# KiCad board TKEEB.kicad_pcb (continued)
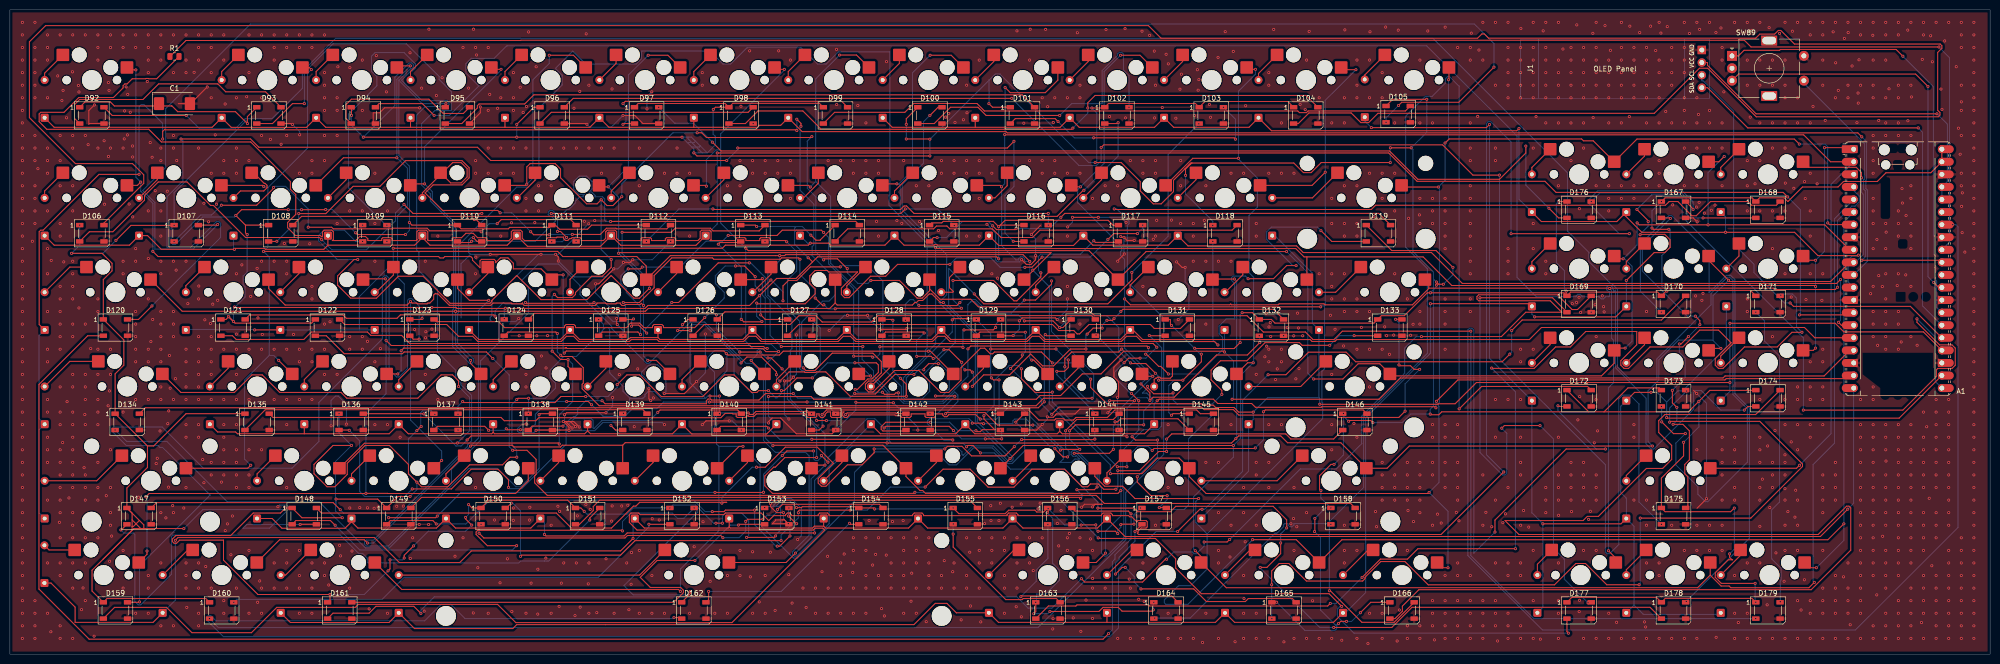
[diagram p0: board, top side]
## Nets
+3V3: A1.36 A1.37 J1.2
+5V: A1.39 A1.40 C1.1 D92.1 D93.1 D94.1 D95.1 D96.1 D97.1 D98.1 D99.1 D100.1 D101.1 D102.1 D103.1 D104.1 D105.1 D106.1 D107.1 D108.1 D109.1 D110.1 D111.1 D112.1 D113.1 D114.1 D115.1 D116.1 D117.1 D118.1 D119.1 D120.1 D121.1 D122.1 D123.1 D124.1 D125.1 D126.1 D127.1 D128.1 D129.1 D130.1 D131.1 D132.1 D133.1 D134.1 D135.1 D136.1 D137.1 D138.1 D139.1 D140.1 D141.1 D142.1 D143.1 D144.1 D145.1 D146.1 D147.1 D148.1 D149.1 D150.1 D151.1 D152.1 D153.1 D154.1 D155.1 D156.1 D157.1 D158.1 D159.1 D160.1 D161.1 D162.1 D163.1 D164.1 D165.1 D166.1 D167.1 D168.1 D169.1 D170.1 D171.1 D172.1 D173.1 D174.1 D175.1 D176.1 D177.1 D178.1 D179.1
GND: A1.3 A1.8 A1.13 A1.18 A1.23 A1.28 A1.33 A1.38 C1.2 D92.3 D93.3 D94.3 D95.3 D96.3 D97.3 D98.3 D99.3 D100.3 D101.3 D102.3 D103.3 D104.3 D105.3 D106.3 D107.3 D108.3 D109.3 D110.3 D111.3 D112.3 D113.3 D114.3 D115.3 D116.3 D117.3 D118.3 D119.3 D120.3 D121.3 D122.3 D123.3 D124.3 D125.3 D126.3 D127.3 D128.3 D129.3 D130.3 D131.3 D132.3 D133.3 D134.3 D135.3 D136.3 D137.3 D138.3 D139.3 D140.3 D141.3 D142.3 D143.3 D144.3 D145.3 D146.3 D147.3 D148.3 D149.3 D150.3 D151.3 D152.3 D153.3 D154.3 D155.3 D156.3 D157.3 D158.3 D159.3 D160.3 D161.3 D162.3 D163.3 D164.3 D165.3 D166.3 D167.3 D168.3 D169.3 D170.3 D171.3 D172.3 D173.3 D174.3 D175.3 D176.3 D177.3 D178.3 D179.3 J1.1 SW89.C SW89.S2
A: A1.27 SW89.A
B: A1.29 SW89.B
col 1: A1.11 D1.1 D2.1 D3.1 D4.1 D5.1 D6.1 D7.1 D8.1
col 2: A1.12 D9.1 D10.1 D11.1 D12.1 D13.1 D14.1 D15.1 D16.1
col 3: A1.14 D17.1 D18.1 D19.1 D20.1 D21.1 D22.1 D23.1 D24.1
col 4: A1.15 D25.1 D26.1 D27.1 D28.1 D29.1 D30.1 D31.1 D32.1
col 5: A1.16 D33.1 D34.1 D35.1 D36.1 D37.1 D38.1 D39.1 D40.1
col 6: A1.17 D41.1 D42.1 D43.1 D44.1 D45.1 D46.1 D47.1 D48.1
col 9: A1.21 D65.1 D66.1 D67.1 D68.1 D69.1 D70.1 D71.1 D72.1
col 10: A1.22 D73.1 D74.1 D75.1 D76.1 D77.1 D78.1 D79.1 D80.1
col 11: A1.24 D81.1 D82.1 D83.1 D84.1 D85.1 D86.1 D87.1 D88.1
colu 7: A1.19 D49.1 D50.1 D51.1 D52.1 D53.1 D54.1 D55.1 D56.1
colu 8: A1.20 D57.1 D58.1 D59.1 D60.1 D61.1 D62.1 D63.1 D64.1
dscl: A1.25 J1.3
dsda: A1.26 J1.4
rgbi: A1.32 R1.1
rgbo: A1.34 D172.2
row 1: A1.1 SW1.1 SW9.1 SW17.1 SW25.1 SW33.1 SW41.1 SW49.1 SW57.1 SW65.1 SW73.1 SW81.1
row 2: A1.2 SW2.1 SW10.1 SW18.1 SW26.1 SW34.1 SW42.1 SW50.1 SW58.1 SW66.1 SW74.1 SW82.1
row 3: A1.4 SW3.1 SW11.1 SW19.1 SW27.1 SW35.1 SW43.1 SW51.1 SW59.1 SW67.1 SW75.1 SW83.1
row 4: A1.5 SW4.1 SW12.1 SW20.1 SW28.1 SW36.1 SW44.1 SW52.1 SW60.1 SW68.1 SW76.1 SW84.1
row 5: A1.6 SW5.1 SW13.1 SW21.1 SW29.1 SW37.1 SW45.1 SW53.1 SW61.1 SW69.1 SW77.1 SW85.1
row 6: A1.7 SW6.1 SW14.1 SW22.1 SW30.1 SW38.1 SW46.1 SW54.1 SW62.1 SW70.1 SW78.1 SW86.1
row 7: A1.9 SW7.1 SW15.1 SW23.1 SW31.1 SW39.1 SW47.1 SW55.1 SW63.1 SW71.1 SW79.1 SW87.1
row 8: A1.10 SW8.1 SW16.1 SW24.1 SW32.1 SW40.1 SW48.1 SW56.1 SW64.1 SW72.1 SW80.1 SW88.1
SW: A1.31 SW89.S1
Net-(D1-A): D1.2 SW1.2
Net-(D2-A): D2.2 SW2.2
Net-(D3-A): D3.2 SW3.2
Net-(D4-A): D4.2 SW4.2
Net-(D5-A): D5.2 SW5.2
Net-(D6-A): D6.2 SW6.2
Net-(D7-A): D7.2 SW7.2
Net-(D8-A): D8.2 SW8.2
Net-(D9-A): D9.2 SW9.2
Net-(D10-A): D10.2 SW10.2
Net-(D11-A): D11.2 SW11.2
Net-(D12-A): D12.2 SW12.2
Net-(D13-A): D13.2 SW13.2
Net-(D14-A): D14.2 SW14.2
Net-(D15-A): D15.2 SW15.2
Net-(D16-A): D16.2 SW16.2
Net-(D17-A): D17.2 SW17.2
Net-(D18-A): D18.2 SW18.2
Net-(D19-A): D19.2 SW19.2
Net-(D20-A): D20.2 SW20.2
Net-(D21-A): D21.2 SW21.2
Net-(D22-A): D22.2 SW22.2
Net-(D23-A): D23.2 SW23.2
Net-(D24-A): D24.2 SW24.2
Net-(D25-A): D25.2 SW25.2
Net-(D26-A): D26.2 SW26.2
Net-(D27-A): D27.2 SW27.2
Net-(D28-A): D28.2 SW28.2
Net-(D29-A): D29.2 SW29.2
Net-(D30-A): D30.2 SW30.2
Net-(D31-A): D31.2 SW31.2
Net-(D32-A): D32.2 SW32.2
Net-(D33-A): D33.2 SW33.2
Net-(D34-A): D34.2 SW34.2
Net-(D35-A): D35.2 SW35.2
Net-(D36-A): D36.2 SW36.2
Net-(D37-A): D37.2 SW37.2
Net-(D38-A): D38.2 SW38.2
Net-(D39-A): D39.2 SW39.2
Net-(D40-A): D40.2 SW40.2
Net-(D41-A): D41.2 SW41.2
Net-(D42-A): D42.2 SW42.2
Net-(D43-A): D43.2 SW43.2
Net-(D44-A): D44.2 SW44.2
Net-(D45-A): D45.2 SW45.2
Net-(D46-A): D46.2 SW46.2
Net-(D47-A): D47.2 SW47.2
Net-(D48-A): D48.2 SW48.2
Net-(D49-A): D49.2 SW49.2
Net-(D50-A): D50.2 SW50.2
Net-(D51-A): D51.2 SW51.2
Net-(D52-A): D52.2 SW52.2
Net-(D53-A): D53.2 SW53.2
Net-(D54-A): D54.2 SW54.2
Net-(D55-A): D55.2 SW55.2
Net-(D56-A): D56.2 SW56.2
Net-(D57-A): D57.2 SW57.2
Net-(D58-A): D58.2 SW58.2
Net-(D59-A): D59.2 SW59.2
Net-(D60-A): D60.2 SW60.2
Net-(D61-A): D61.2 SW61.2
Net-(D62-A): D62.2 SW62.2
Net-(D63-A): D63.2 SW63.2
Net-(D64-A): D64.2 SW64.2
Net-(D65-A): D65.2 SW65.2
Net-(D66-A): D66.2 SW66.2
Net-(D67-A): D67.2 SW67.2
Net-(D68-A): D68.2 SW68.2
Net-(D69-A): D69.2 SW69.2
Net-(D70-A): D70.2 SW70.2
Net-(D71-A): D71.2 SW71.2
Net-(D72-A): D72.2 SW72.2
Net-(D73-A): D73.2 SW73.2
Net-(D74-A): D74.2 SW74.2
Net-(D75-A): D75.2 SW75.2
Net-(D76-A): D76.2 SW76.2
Net-(D77-A): D77.2 SW77.2
Net-(D78-A): D78.2 SW78.2
Net-(D79-A): D79.2 SW79.2
Net-(D80-A): D80.2 SW80.2
Net-(D81-A): D81.2 SW81.2
Net-(D82-A): D82.2 SW82.2
Net-(D83-A): D83.2 SW83.2
Net-(D84-A): D84.2 SW84.2
Net-(D85-A): D85.2 SW85.2
Net-(D86-A): D86.2 SW86.2
Net-(D87-A): D87.2 SW87.2
Net-(D88-A): D88.2 SW88.2
Net-(D92-DOUT): D92.2 D93.4
Net-(D94-DOUT): D94.2 D95.4
Net-(D96-DOUT): D96.2 D98.4
Net-(D97-DOUT): D97.2 D99.4
Net-(D100-DIN): D93.2 D100.4
Net-(D100-DOUT): D100.2 D102.4
Net-(D101-DIN): D95.2 D101.4
Net-(D101-DOUT): D101.2 D103.4
Net-(D102-DOUT): D102.2 D108.4
Net-(D103-DOUT): D103.2 D109.4
Net-(D104-DIN): D98.2 D104.4
Net-(D104-DOUT): D104.2 D106.4
Net-(D105-DIN): D99.2 D105.4
Net-(D105-DOUT): D105.2 D107.4
Net-(D106-DOUT): D106.2 D110.4
Net-(D107-DOUT): D107.2 D111.4
Net-(D108-DOUT): D108.2 D112.4
Net-(D109-DOUT): D109.2 D113.4
Net-(D110-DOUT): D110.2 D114.4
Net-(D111-DOUT): D111.2 D115.4
Net-(D112-DOUT): D112.2 D116.4
Net-(D113-DOUT): D113.2 D117.4
Net-(D114-DOUT): D114.2 D118.4
Net-(D115-DOUT): D115.2 D119.4
Net-(D116-DOUT): D116.2 D120.4
Net-(D117-DOUT): D117.2 D121.4
Net-(D118-DOUT): D118.2 D122.4
Net-(D119-DOUT): D119.2 D123.4
Net-(D120-DOUT): D120.2 D156.4
Net-(D121-DOUT): D121.2 D157.4
Net-(D122-DOUT): D122.2 D158.4
Net-(D123-DOUT): D123.2 D159.4
Net-(D124-DIN): D124.4 D177.2
Net-(D124-DOUT): D124.2 D128.4
Net-(D125-DIN): D125.4 D178.2
Net-(D125-DOUT): D125.2 D129.4
Net-(D126-DIN): D126.4 D179.2
Net-(D126-DOUT): D126.2 D130.4
Net-(D127-DIN): D127.4 R1.2
Net-(D127-DOUT): D127.2 D131.4
Net-(D128-DOUT): D128.2 D132.4
Net-(D129-DOUT): D129.2 D133.4
Net-(D130-DOUT): D130.2 D134.4
Net-(D131-DOUT): D131.2 D135.4
Net-(D132-DOUT): D132.2 D136.4
Net-(D133-DOUT): D133.2 D137.4
Net-(D134-DOUT): D134.2 D138.4
Net-(D135-DOUT): D135.2 D139.4
Net-(D136-DOUT): D136.2 D140.4
Net-(D137-DOUT): D137.2 D141.4
Net-(D138-DOUT): D138.2 D142.4
Net-(D139-DOUT): D139.2 D143.4
Net-(D140-DOUT): D140.2 D144.4
Net-(D141-DOUT): D141.2 D145.4
Net-(D142-DOUT): D142.2 D146.4
Net-(D143-DOUT): D143.2 D147.4
Net-(D144-DOUT): D144.2 D148.4
Net-(D145-DOUT): D145.2 D149.4
Net-(D146-DOUT): D146.2 D150.4
Net-(D147-DOUT): D147.2 D151.4
Net-(D148-DOUT): D148.2 D152.4
Net-(D149-DOUT): D149.2 D153.4
Net-(D150-DOUT): D150.2 D154.4
Net-(D151-DOUT): D151.2 D155.4
Net-(D152-DOUT): D152.2 D160.4
Net-(D153-DOUT): D153.2 D161.4
Net-(D154-DOUT): D154.2 D162.4
Net-(D155-DOUT): D155.2 D163.4
Net-(D156-DOUT): D156.2 D164.4
Net-(D157-DOUT): D157.2 D165.4
Net-(D158-DOUT): D158.2 D166.4
Net-(D159-DOUT): D159.2 D167.4
Net-(D160-DOUT): D160.2 D168.4
Net-(D161-DOUT): D161.2 D169.4
Net-(D162-DOUT): D162.2 D170.4
Net-(D163-DOUT): D163.2 D171.4
Net-(D164-DOUT): D164.2 D172.4
Net-(D165-DOUT): D165.2 D173.4
Net-(D166-DOUT): D166.2 D174.4
Net-(D167-DOUT): D167.2 D175.4
Net-(D168-DOUT): D168.2 D176.4
Net-(D169-DOUT): D169.2 D177.4
Net-(D170-DOUT): D170.2 D178.4
Net-(D171-DOUT): D171.2 D179.4
Net-(D173-DOUT): D92.4 D173.2
Net-(D174-DOUT): D94.4 D174.2
Net-(D175-DOUT): D96.4 D175.2
Net-(D176-DOUT): D97.4 D176.2

Pads without a net: A1 30 35; SW89 MP

## Via types
v1: diameter 0.6, hole 0.3, Top to Bottom, 2856 vias

## Routing (per net, layer and track width the routed paths; a pad name or vN(x,y) marks a point on that pad's centre or on a via; arc(x,y) is an arc through that point)
+3V3: length 72.3
  Top w0.2: v1(388.77,109.15) 352.27,109.15 342.47,118.95 342.47,119.51 J1.2 ; A1.36 A1.36 ; A1.37 A1.37
  Bottom w0.2: A1.36 A1.37 390.86,95.5 390.86,107.06 v1(388.77,109.15)
+5V: length 2742.7
  Top w0.2: v1(82.97,45.99) 82.93,45.99 v1(82.1,45.16) ; v1(135.67,66.56) 136.73,67.62 D126.1 ; v1(83.15,67.81) 82.96,67.62 D123.1 ; v1(161.58,84.65) 162.61,83.62 163.46,83.62 163.51,83.67 163.51,83.7 D114.1 ; 238.46,99.21 238.4,99.21 238.19,99 ; 238.46,99.21 259.01,99.21 260.95,97.27 262.51,97.27 264.54,99.31 v1(278.46,99.31) ; 238.46,99.21 238.24,99.21 237.04,98.01 ; D161.1 64.57,10.96 v1(64.57,12.04) 50.02,12.04 43.09,18.98 43.09,23.03 34.25,23.03 33.62,22.4 33.12,22.4 32.77,22.75 32.77,23.25 33.47,23.95 44.53,23.95 49.08,28.49 54.57,28.49 v1(55.6,29.52) D148.1 58.91,27.55 v1(67.05,27.55) ; v1(47.87,84.77) 47.52,85.12 47.52,86.67 ; A1.39 387.53,97.25 378.49,97.25 376.72,95.49 369.91,95.49 368.79,94.37 361.63,94.37 358.69,91.43 357.94,92.18 352.96,92.18 D168.1 351.46,92.18 333.91,92.18 v1(333.16,91.43) ; A1.39 A1.39 ; A1.39 A1.40 A1.40 ; D92.1 15.14,111.55 20.26,111.55 21.07,110.74 32.6,110.74 32.65,110.79 33.86,109.58 45.5,109.58 v1(47.91,107.18) 47.91,108.6 D93.1 ; D98.1 144.29,111.23 126.75,111.23 D97.1 ; D98.1 142.33,110.48 v1(141.9,110.06) ; D98.1 145.84,111.28 163.3,111.28 D99.1 ; v1(69.74,85.12) 70.1,84.76 v1(79.79,84.76) ; D137.1 85.58,48.57 v1(85.73,48.42) ; 26.13,27 27.01,26.11 27.01,25.36 ; 26.13,27 24.9,25.77 24.65,25.77 ; 26.13,27 D147.1 ; 27.01,25.36 26.4,25.36 24.65,27.11 ; 27.01,25.36 24.99,25.36 18.83,19.21 ; 27.01,25.36 v1(35.09,25.36) ; v1(231.08,56.73) 231.08,56.76 229.14,58.7 226.21,58.7 v1(226.08,58.83) ; v1(190.29,29.52) 191.44,28.37 200.79,28.37 201.5,29.08 206.79,29.08 207.16,28.71 208.53,28.71 D156.1 209.34,29.51 v1(209.45,29.4) 209.45,28.78 v1(209.24,28.57) ; D105.1 278.97,112.09 v1(285.84,112.09) ; 47.52,86.67 v1(45.57,88.62) 46.73,89.78 v1(56.15,89.78) ; 47.52,86.67 D108.1 ; 18.83,19.21 16.56,16.94 16.56,12.75 D159.1 19.59,11.22 39.52,11.22 D160.1 ; 18.83,19.21 24.65,25.02 24.65,25.77 ; v1(346.92,20.25) 346.92,19.55 347.41,19.06 347.54,19.06 346.68,19.06 344.04,16.42 344.04,15.51 345.26,14.29 v1(352.08,14.29) ; 161.92,79.23 161.09,80.07 v1(161.04,80.07) ; 161.92,79.23 162.95,80.26 199.08,80.26 v1(199.48,79.85) ; 161.92,79.23 158.59,75.9 154.68,75.9 v1(151.19,72.4) 149.22,70.44 128.72,70.44 128.12,69.84 90.18,69.84 89.98,70.04 v1(85.12,70.04) 45.37,70.04 v1(45.28,70.12) ; D130.1 212.43,65.97 v1(211.79,65.97) 210.44,67.32 v1(204.64,67.32) ; v1(268.02,6.16) 268.47,6.61 v1(269.64,6.61) ; v1(272.43,8.36) 274.54,10.47 D166.1 ; v1(248.19,62.95) 246.97,61.73 239.01,61.73 ; D172.1 318.46,48.99 318.46,48.94 ; v1(179.63,55.74) 180.83,54.53 v1(180.83,52.09) 169.52,52.09 164.59,57.02 162.68,57.02 162.56,56.89 160.42,56.89 160.29,57.02 157.21,57.02 v1(155.34,55.16) ; 237.04,98.01 238.03,99 238.19,99 ; 237.04,98.01 234.74,95.71 234.74,93.44 232.26,90.96 230.66,90.96 228.04,93.59 228.04,95.47 224.2,99.31 v1(218.93,99.31) ; D142.1 178.87,48.57 178.72,48.72 168.91,48.72 v1(168.61,48.42) ; D143.1 198.29,48.57 v1(198.27,48.59) ; v1(263.19,24.77) 263.26,24.84 v1(263.26,27.4) ; D115.1 185.98,87.12 187.99,87.12 188.3,87.43 198.4,87.43 v1(199.47,86.35) ; 321.59,48.94 326.43,53.78 332.71,53.78 D173.1 ; 321.59,48.94 318.46,48.94 ; 321.59,48.94 338.6,48.94 v1(340.73,51.07) 342.94,53.28 352.21,53.28 ; v1(21.39,83.59) 24.42,86.62 v1(33.13,86.62) ; D145.1 234.64,48.57 v1(234.33,48.26) ; v1(123.77,48.65) 123.69,48.57 D139.1 ; v1(137.26,12.65) 137.26,12.21 D162.1 ; v1(211.03,61.64) v1(197.87,61.64) ; D104.1 257.8,111.65 241.09,111.65 D103.1 239.17,111.23 221.62,111.23 D102.1 220.72,110.33 v1(218.27,110.33) ; v1(135.59,104.44) v1(102.25,104.44) v1(71.29,104.44) ; D176.1 312.57,91.43 v1(312.5,91.5) ; v1(68.91,42.16) 65.18,42.16 61.35,38.32 61.35,36.44 63.97,33.81 65.57,33.81 68.05,36.29 68.05,38.56 71.64,42.16 76.56,42.16 80.4,38.32 80.4,36.44 v1(82.1,34.74) 83.02,33.81 88.32,33.81 92.75,38.24 99.37,38.24 100.9,39.78 v1(102.25,39.78) ; v1(178.13,67.45) 177.96,67.62 D128.1 ; v1(255.55,10.48) 254.59,10.48 D165.1 ; D169.1 313.5,72.99 285.93,72.99 281.31,68.37 276.68,68.37 D133.1 275.18,66.87 255.22,66.87 254.47,67.62 D132.1 250.7,68.97 v1(248.59,68.97) ; D169.1 314.86,73.13 332.41,73.13 D170.1 334.26,73.48 ; D169.1 313.96,72.54 v1(313.96,73.34) ; v1(104.58,48.6) 104.56,48.58 D138.1 ; v1(102.25,51.42) 102.52,51.68 v1(104.63,51.68) ; v1(45.09,67.19) 45.42,66.87 60.86,66.87 D122.1 ; v1(45.09,67.19) v1(44.14,68.15) 43.61,67.62 D121.1 ; v1(45.09,67.19) 43.92,68.37 ; D112.1 117.36,86.67 116.53,85.84 110.87,85.84 110.04,86.67 D111.1 108.88,86.22 100.84,86.22 100.54,85.92 91.03,85.92 D110.1 81.1,86.67 v1(80.59,87.18) ; D171.1 351.12,73.48 334.26,73.48 ; D135.1 35.53,48.57 29.01,42.05 27.74,42.05 ; v1(228.08,29.51) 228.09,29.52 D157.1 ; v1(264.48,33.05) 264.21,33.32 264.21,36.03 266.51,38.33 v1(267.12,38.33) ; v1(137.97,101.27) 138.6,100.64 185.59,100.64 v1(185.59,100.65) ; D96.1 105.7,110.48 v1(102.25,107.03) ; v1(270.08,47.04) 270.24,47.2 274.52,47.2 v1(274.97,46.75) ; v1(143.74,26.45) 142.45,26.45 v1(142.44,26.44) ; v1(154.64,56.44) 154.64,57 151.62,60.02 148.69,60.02 v1(147.5,58.83) ; v1(334.68,85.82) 331.52,85.82 v1(331.27,86.07) ; v1(180.83,104.07) 185.55,104.07 v1(185.59,104.02) ; v1(162.74,47.22) 162.78,47.18 v1(164.71,47.18) ; D127.1 152.38,67.62 v1(151.46,68.54) ; v1(76.28,16.82) 76.68,17.22 v1(76.68,19.04) ; D116.1 199.79,86.67 v1(199.47,86.35) ; v1(63.71,89.83) 63.66,89.78 v1(58.84,89.78) ; v1(150.64,86.39) 150.36,86.67 D113.1 ; 238.19,99 237.17,97.98 v1(237.17,96.72) ; D125.1 118.77,67.58 v1(118.78,67.57) ; v1(68.91,108.83) 68.91,110.41 68.84,110.48 ; v1(269.02,48.62) 268.97,48.57 D146.1 ; v1(219.06,26.1) 216.14,26.1 v1(216.11,26.07) ; 334.26,73.48 v1(334.26,73.34) ; v1(199.47,86.35) 200.76,87.64 221.55,87.64 222.57,86.62 223.63,86.62 ; v1(92.53,30.21) 93.22,29.52 D150.1 96.62,31.1 112.51,31.1 D151.1 115.18,29.52 v1(115.86,28.84) ; v1(219.07,48.59) 219.05,48.57 D144.1 ; D147.1 24.65,28.47 24.65,27.11 ; D147.1 23.6,33.56 27.74,37.71 27.74,42.05 ; D119.1 278.77,81.53 287.71,81.53 v1(291.11,78.13) ; 318.46,48.94 288.85,48.94 288.26,48.35 286.67,48.35 v1(286.52,48.5) ; v1(143.14,52.13) v1(141.22,52.13) ; v1(79.54,19.41) 79.54,19.97 v1(81.43,21.86) ; 27.74,42.05 D134.1 21.22,56.62 22.98,58.38 22.98,63.48 D120.1 18.84,75.67 20.6,77.43 20.6,78.96 18.59,80.97 v1(12.44,80.97) ; v1(87.96,111.21) 87.83,111.08 D95.1 ; v1(289.18,74.72) 288.24,74.72 v1(287.79,75.17) v1(287.79,74.54) ; v1(193.24,67.78) 190.36,67.78 v1(190.1,67.52) ; 24.65,27.11 24.65,25.77 ; v1(134.7,65.36) v1(137.21,65.36) ; D101.1 198.23,110.48 v1(197.5,111.21) ; v1(352.21,10.47) 351.42,11.26 333.95,11.26 D178.1 332.16,11.47 315.11,11.47 D177.1 ; v1(160.77,49.02) 150.5,49.02 149.9,48.42 149.24,48.42 v1(148.93,48.73) ; v1(91.93,27.62) 91.93,27.31 v1(93.17,26.07) ; v1(230.66,8.94) 230.39,8.67 224.37,8.67 223.6,9.44 220.53,9.44 219.7,8.62 v1(209.81,8.62) ; v1(158.67,29.59) 159.66,29.59 159.85,29.78 170.97,29.78 D154.1 174.25,29.52 v1(174.45,29.32) ; v1(242.67,86.62) 242.68,86.63 D118.1 ; v1(213.52,59.43) 213.52,57.9 212.75,57.13 v1(211.2,57.13) ; v1(80.73,31.85) 78.31,31.85 D149.1 74.19,31.32 v1(65.79,31.32) ; v1(206.96,10.47) 206.96,8.57 v1(206.55,8.16) ; v1(199.54,55.4) 198.41,55.4 v1(198,55.81) ; v1(224.11,26.15) 224.21,26.25 v1(226.77,26.25) ; v1(148.61,23.58) 154.16,23.58 v1(154.45,23.87) ; D100.1 180.83,108.17 v1(180.83,107.03) ; v1(337.65,42.79) 337.65,40.05 333.16,35.56 D175.1 333.91,28.77 347.14,28.77 v1(347.88,29.51) ; v1(231.75,55.34) v1(236.63,55.34) 240.36,59.07 v1(240.36,60.6) ; v1(234.34,66.4) 234.12,66.62 234.12,67.57 233.07,67.57 ; v1(99.73,67.77) 99.72,67.76 D124.1 ; v1(152.27,29.6) 152.26,29.59 D153.1 ; v1(278.5,102.28) v1(282.69,102.28) ; v1(223.49,24.35) 223.02,24.82 v1(219.51,24.82)
  Bottom w0.2: 267.33,5.96 264.39,8.91 264.39,23.56 v1(263.19,24.77) ; 267.33,5.96 267.66,5.64 ; 267.33,5.96 267.82,5.96 v1(268.02,6.16) 267.66,5.8 ; 267.33,5.96 267.5,5.8 267.66,5.8 ; v1(148.93,48.73) 143.3,48.73 v1(143.14,48.57) v1(143.14,52.13) ; 154.08,29.84 154.51,29.84 ; 154.08,29.84 152.51,29.84 v1(152.27,29.6) ; 154.08,29.84 154.08,30.11 155.01,31.04 155.05,31 155.67,31 ; 154.51,29.84 155.11,29.84 ; 154.51,29.84 155.67,31 ; v1(150.64,86.39) 158.62,86.39 ; 158.62,86.39 159.84,86.39 160.57,85.66 ; 158.62,86.39 158.3,86.07 158.3,85.33 ; 267.66,5.8 267.66,5.64 ; 160.57,85.66 158.63,85.66 158.3,85.33 ; 160.57,85.66 v1(161.58,84.65) ; v1(64.57,12.04) 71.5,12.04 v1(76.28,16.82) ; 155.11,29.84 155.25,29.84 156.41,31 ; 155.11,29.84 155.46,29.49 155.46,25.04 154.37,23.95 154.37,23.95 v1(154.45,23.87) ; v1(82.1,45.16) 80.4,43.46 80.4,36.44 v1(82.1,34.74) 82.1,33.21 v1(80.73,31.85) ; v1(174.45,29.32) 190.09,29.32 v1(190.29,29.52) ; v1(155.34,55.16) 154.64,55.86 v1(154.64,56.44) ; 137.6,102.43 137.97,102.06 v1(137.97,101.27) 139.65,101.27 ; 137.6,102.43 139.1,102.43 139.31,102.64 ; 137.6,102.43 136.68,103.34 ; 125.01,51.81 125.13,51.68 127.7,51.68 128.1,52.08 128.1,52.4 128.72,53.02 130.09,53.02 131.43,51.68 140.35,51.68 ; 125.01,51.81 123.68,53.13 123.68,54.13 121.01,56.81 121.01,65.65 120.65,66 120.16,66 119.73,65.58 ; 125.01,51.81 125.01,49.89 v1(123.77,48.65) ; v1(63.71,89.83) 65.03,89.83 v1(69.74,85.12) 71.25,86.63 71.31,86.63 71.27,86.67 v1(71.16,86.67) ; v1(224.11,26.15) 224.11,25.61 223.49,24.99 v1(223.49,24.35) ; v1(219.07,48.59) 211.2,56.46 v1(211.2,57.13) ; v1(35.09,25.36) 38.91,29.18 55.26,29.18 v1(55.6,29.52) ; v1(218.27,110.33) 219.26,109.34 219.26,99.63 v1(218.93,99.31) 217.62,99.31 199.75,117.18 198.75,117.18 197.52,115.95 ; 138.64,29.77 138.29,30.12 133.74,30.12 v1(133.14,29.52) 125.74,29.52 124.49,28.27 116.43,28.27 v1(115.86,28.84) ; 138.64,29.77 138.64,28.6 123.87,13.83 125.73,11.97 136.58,11.97 v1(137.26,12.65) ; 138.64,29.77 141.97,26.44 v1(142.44,26.44) ; 197.52,115.95 197.52,111.24 v1(197.5,111.21) ; 197.52,115.95 v1(185.59,104.02) v1(185.59,100.65) ; v1(216.11,26.07) 212.78,26.07 v1(209.45,29.4) ; v1(269.64,6.61) 269.66,6.58 270.65,6.58 v1(272.43,8.36) ; 138.34,103.61 137.51,104.44 136.78,104.44 ; 138.34,103.61 139.31,102.64 ; 138.34,103.61 138.07,103.34 136.68,103.34 ; v1(99.73,67.77) 99.73,69.66 v1(99.95,69.88) ; 267.66,5.64 267.66,5.14 267.31,4.79 261.24,4.79 v1(255.55,10.48) ; 140.67,101.27 139.65,101.27 ; 140.67,101.27 139.31,102.64 ; 140.67,101.27 142.31,102.91 142.31,104.61 141.87,105.05 141.87,110.03 v1(141.9,110.06) ; 139.65,101.27 136.78,104.14 136.78,104.44 ; v1(219.06,26.1) 219.06,25.27 v1(219.51,24.82) ; v1(230.66,8.94) 230.66,10.36 v1(230.77,10.47) ; v1(67.05,27.55) 65.67,28.93 65.67,30.14 ; v1(151.19,72.4) 151.46,72.13 v1(151.46,68.54) ; v1(291.11,78.13) 291.11,76.65 v1(289.18,74.72) ; v1(352.08,14.29) 352.08,10.6 v1(352.21,10.47) ; v1(340.73,51.07) 340.73,45.87 v1(337.65,42.79) ; 78.45,115.93 83.17,111.21 v1(87.96,111.21) ; 78.45,115.93 80.76,118.24 81.04,118.24 81.4,118.59 81.4,119.09 81.04,119.44 80.55,119.44 77.65,116.55 77.65,110.79 v1(71.29,104.44) 68.91,106.82 v1(68.91,108.83) ; 78.45,115.93 78.45,100.73 80.59,98.59 v1(80.59,87.18) 80.59,85.56 v1(79.79,84.76) ; v1(346.92,20.25) 347.88,21.21 v1(347.88,29.51) ; v1(312.5,91.5) 311.98,90.98 311.98,79.08 313.6,77.46 313.6,73.7 v1(313.96,73.34) ; 118.25,64.1 118.88,64.73 118.88,67.46 v1(118.78,67.57) 119.73,66.62 119.73,65.58 ; 118.25,64.1 114.28,60.12 111.72,60.12 108.97,57.37 108.97,55.84 110.06,54.75 110.06,53.73 108.01,51.68 v1(104.63,51.68) 104.63,48.65 v1(104.58,48.6) ; 118.25,64.1 119.73,65.58 ; v1(264.48,33.05) 264.48,31.53 v1(266.49,29.52) 265.38,29.52 v1(263.26,27.4) ; 287.19,75.77 v1(287.79,75.17) ; 287.19,75.77 287.19,50.11 286.52,49.45 v1(286.52,48.5) 282.63,48.5 280.88,46.75 v1(274.97,46.75) ; 287.19,75.77 287.19,77.19 283.05,81.32 283.05,101.92 v1(282.69,102.28) 285.84,105.43 v1(285.84,112.09) ; 140.35,51.68 140.8,52.13 v1(141.22,52.13) ; 140.35,51.68 137.21,54.82 137.21,66.22 137.57,66.57 140.11,66.57 147.5,59.18 v1(147.5,58.83) ; v1(211.79,65.97) 214.17,68.35 221.31,68.35 223.69,65.97 223.69,61.21 v1(226.08,58.83) ; v1(234.34,66.4) 240.14,60.6 v1(240.36,60.6) ; v1(102.25,107.03) v1(102.25,104.44) ; 158.3,85.33 158.3,82.81 v1(161.04,80.07) ; v1(286.55,72.99) 287.79,74.23 v1(287.79,74.54) ; v1(278.46,99.31) 278.46,102.25 v1(278.5,102.28) ; v1(45.57,88.62) 45.26,88.31 38.92,88.31 33.38,82.77 32.88,82.77 32.53,83.12 32.53,86.02 v1(33.13,86.62) 33.13,93.24 47.66,107.78 47.91,107.53 v1(47.91,107.18) ; v1(231.75,55.34) 231.75,56.07 v1(231.08,56.73) ; v1(270.08,47.04) 269.02,48.1 v1(269.02,48.62) 269.02,40.23 v1(267.12,38.33) ; v1(79.54,19.41) 79.17,19.04 v1(76.68,19.04) ; 136.68,103.34 v1(135.59,104.44) 136.78,104.44 ; v1(248.59,68.97) 248.19,68.57 v1(248.19,62.95) ; v1(102.25,39.78) 102.25,41.21 101.33,42.13 101.28,42.13 101.28,50.45 v1(102.25,51.42) ; v1(82.97,45.99) 82.89,46.06 82.89,48.79 83.24,49.14 85.01,49.14 v1(85.73,48.42) ; v1(199.54,55.4) 199.54,49.86 v1(198.27,48.59) ; v1(164.71,47.18) 167.37,47.18 v1(168.61,48.42) ; v1(226.77,26.25) 226.77,28.2 v1(228.08,29.51) ; v1(237.17,96.72) 237.17,92.96 242.67,87.46 v1(242.67,86.62) ; 65.67,30.14 65.79,30.26 v1(65.79,31.32) ; 65.67,30.14 65.67,38.91 v1(68.91,42.16) 66.4,44.68 v1(66.4,48.57) ; 155.67,31 156.41,31 ; v1(91.93,27.62) 92.53,28.22 v1(92.53,30.21) ; v1(204.64,67.32) 203.44,68.52 197.33,68.52 194.67,71.18 193.84,71.18 193.24,70.59 v1(193.24,67.78) 194.81,67.78 v1(194.97,67.62) 197.87,64.72 v1(197.87,61.64) 197.87,55.94 v1(198,55.81) ; v1(81.43,21.86) 84.39,24.82 91.93,24.82 v1(93.17,26.07) ; v1(179.63,55.74) 178.13,57.24 v1(178.13,67.45) ; v1(56.15,89.78) v1(58.84,89.78) ; v1(21.39,83.59) 18.77,80.97 v1(12.44,80.97) 14.08,82.61 v1(14.08,86.67) ; v1(190.1,67.52) 190.1,65.07 180.83,55.8 v1(180.83,52.09) ; v1(135.67,66.56) 135.67,66.33 v1(134.7,65.36) ; v1(213.52,59.43) 213.24,59.43 v1(211.03,61.64) ; v1(180.83,107.03) v1(180.83,104.07) ; v1(83.15,67.81) 83.15,68.13 84.88,69.86 84.94,69.86 v1(85.12,70.04) ; v1(333.16,91.43) 331.27,89.54 v1(331.27,86.07) ; 156.41,31 157.26,31 v1(158.67,29.59) ; v1(162.74,47.22) 162.74,47.54 v1(161.71,48.57) 161.22,48.57 v1(160.77,49.02) ; v1(44.14,68.15) v1(45.09,67.19) 45.09,69.93 v1(45.28,70.12) 45.43,70.12 47.45,72.14 47.45,74.19 47.06,74.58 47.06,76.42 47.87,77.23 v1(47.87,84.77) ; v1(143.74,26.45) 143.74,27.91 144.33,28.49 147.62,28.49 149.04,27.07 149.04,24.01 v1(148.61,23.58) ; v1(199.47,86.35) 199.47,79.86 v1(199.48,79.85) ; v1(209.24,28.57) 210.38,27.43 210.38,18.31 211.75,16.94 211.75,14.94 208.94,12.13 207.11,12.13 207.11,10.62 v1(206.96,10.47) ; v1(334.68,85.82) 334.92,85.58 334.92,82.19 333.27,80.53 333.27,74.33 v1(334.26,73.34) ; v1(209.81,8.62) 209.35,8.16 v1(206.55,8.16) ; v1(236.63,55.34) 234.86,55.34 233.79,54.27 233.79,48.8 v1(234.33,48.26)
  vias: v1(239.01,61.8)
GND: length 613.5
  Top w0.2: v1(111.65,46.98) 113.76,46.98 v1(114.85,45.89) ; v1(111.65,46.98) 113.06,46.98 v1(114.09,45.95) ; v1(111.65,46.98) 112.11,46.98 v1(113.41,45.68) ; v1(111.65,46.98) 112.79,45.84 v1(112.79,45.15) 112.67,45.27 D138.3 106.21,45.27 v1(106.15,45.21) ; v1(223.45,51.88) 223.66,52.09 223.66,55.04 222.7,55.99 222.7,57.95 v1(224.17,59.43) ; D93.3 56.65,107.18 57.01,106.82 v1(57.01,107.02) ; v1(96.89,80.77) v1(107.14,80.77) ; v1(204.11,79.68) 205.05,78.74 205.99,78.74 206.92,79.67 v1(206.92,80.51) ; v1(340.38,87.32) 339.57,88.13 D167.3 ; v1(208.25,46.39) 207.13,45.27 D143.3 ; v1(132,52.62) 136.07,52.62 v1(138.49,55.04) ; v1(93.49,84.14) 94.25,83.37 D110.3 ; v1(224.1,84.35) 224.25,84.2 v1(224.75,84.2) 225.38,83.57 v1(226.81,83.57) ; v1(221.49,48.75) 222.24,49.5 215.85,49.5 214.87,48.52 211.11,48.52 210.91,48.32 210.91,48.27 210.49,47.85 209.38,47.85 v1(209.3,47.93) ; D95.3 94.9,109.36 v1(94.9,110.54) ; v1(153.05,46.69) 153.05,46.98 153.77,47.7 155.48,47.7 158.66,44.52 165.86,44.52 v1(166.61,45.27) ; v1(213.39,86.3) 213.35,86.3 213.32,86.27 ; v1(223.49,79.37) 223.49,79.5 v1(224.82,80.83) ; v1(118.15,74.81) 118.81,74.81 v1(121.83,77.84) ; v1(123.76,79.14) 125.12,79.14 v1(125.65,79.67) ; v1(82.66,110.36) 75.58,110.36 74.57,109.35 73.3,109.35 73.3,107.63 D94.3 ; D129.3 202.35,64.32 v1(202.38,64.35) ; v1(139.67,46.35) 140.44,47.12 v1(145.12,47.12) ; v1(180.97,65.8) 180.72,65.55 v1(175.51,65.55) ; v1(39.81,114.58) 36.44,111.21 33.97,111.21 ; v1(157.03,26.35) 153.84,26.35 153.83,26.36 154.45,26.98 154.45,27.1 155.93,27.1 155.97,27.14 156.24,27.14 D153.3 ; v1(170.66,50.89) 170.78,50.77 v1(178.22,50.77) ; D148.3 58.58,26.22 v1(58.55,26.19) ; v1(110.1,80.77) 110.63,80.24 v1(110.63,79.42) ; v1(122.42,67.83) 122.42,66.67 v1(122.53,66.56) ; v1(203.65,67.34) 204.23,67.92 210.94,67.92 v1(211.28,67.58) ; v1(219.57,88.24) v1(214.36,88.24) ; v1(206.06,84.77) 207.91,86.62 ; 339.66,53.28 v1(340.29,52.65) ; v1(237.09,78.12) 236.48,78.12 v1(235.36,79.24) ; D97.3 127.71,107.18 126.06,108.83 v1(123.68,108.83) ; v1(156.06,28.57) 154.68,28.57 153.43,29.82 v1(153.43,30.44) ; v1(111.9,48.36) 112.31,48.77 v1(120.25,48.77) ; D92.3 16.04,107.18 15.92,107.07 15.92,109.82 v1(17.05,110.95) ; v1(342.28,31.39) 340.36,29.47 ; D112.3 133.28,83.37 v1(133.31,83.4) ; v1(156.23,55.2) 157.33,55.2 158.1,55.97 ; D96.3 116.26,107.18 v1(116.41,107.03) ; v1(128.91,53.62) 128.91,51.58 v1(129.28,51.21) ; v1(218.4,29.73) 218.94,30.27 220.38,30.27 216.79,30.27 v1(216.2,29.68) ; v1(168.96,68.45) v1(173.02,68.45)
  Bottom w0.2: v1(221.49,48.75) 221.55,48.81 223.44,48.81 ; v1(224.82,80.83) 224.75,80.9 v1(224.75,84.2) ; v1(116.41,107.03) 116.99,106.45 121.3,106.45 v1(123.68,108.83) ; v1(204.11,79.68) 203.68,79.25 199.23,79.25 198.88,79.6 198.88,85.06 v1(197.11,86.83) ; v1(118.15,74.81) 118.15,72.95 122.7,68.39 122.7,68.12 v1(122.42,67.83) ; v1(206.06,84.77) 206.92,83.91 v1(206.92,80.51) ; 242.82,48.53 237.76,43.47 237.76,30.07 236.9,29.21 233.55,29.21 233.29,29.47 ; v1(64.79,46.13) 64.79,51.24 65.69,52.14 66.19,52.14 67.89,50.44 v1(67.89,46.46) ; 92.93,80.77 v1(96.89,80.77) ; 92.93,80.77 91.01,78.85 91.01,67.93 ; 92.93,80.77 92.55,81.15 92.55,83.66 93.03,84.14 v1(93.49,84.14) ; v1(166.61,45.27) 170.66,49.32 v1(170.66,50.89) ; v1(214.36,88.24) 214.36,87.27 v1(213.39,86.3) ; v1(128.52,110.15) 128.52,112.62 v1(129.49,113.59) ; 223.44,48.81 223.44,51.87 v1(223.45,51.88) ; 223.44,48.81 223.55,48.7 223.55,45.31 v1(223.51,45.27) ; v1(213.33,71.75) 213.33,69.63 v1(211.28,67.58) ; v1(58.55,26.19) 47.77,26.19 47.02,25.44 52.37,25.44 56.2,29.27 56.2,29.77 55.85,30.12 54.41,30.12 v1(54.07,29.78) ; v1(173.02,68.45) 173.02,68.04 v1(175.51,65.55) ; v1(203.65,67.34) 203.65,65.62 v1(202.38,64.35) ; v1(132.05,46.35) 131.62,46.78 119.6,46.78 117.97,45.15 v1(112.79,45.15) ; v1(104.15,46.48) 103.32,46.48 102.41,45.57 102.41,45.07 102.76,44.72 105.66,44.72 v1(106.15,45.21) ; v1(156.06,28.57) 156.06,27.32 v1(157.03,26.35) ; v1(237.09,78.12) 237.09,75.17 237.86,74.4 237.86,69.74 v1(235.69,67.57) ; v1(157.15,47.5) 156.24,48.41 156.24,55.19 v1(156.23,55.2) ; v1(178.22,50.77) 183.16,45.83 v1(183.16,45.26) ; v1(342.28,31.39) 342.28,50.66 v1(340.29,52.65) ; v1(140.3,64.67) 140.3,56.85 v1(138.49,55.04) ; v1(219.13,64.47) v1(224.17,59.43) ; v1(116.77,86.93) 110.61,80.77 v1(110.1,80.77) v1(107.14,80.77) 106.59,80.77 97.24,71.42 97.24,68.37 96.89,68.02 96.89,67.52 97.24,67.17 102.04,67.17 v1(102.65,67.78) ; v1(180.97,65.8) 180.97,64.47 v1(180.82,64.32) ; v1(132,52.62) 132.35,52.97 132.35,56.75 130.64,58.45 129.21,58.45 129.11,58.35 128.84,58.35 127.41,56.92 127.41,56.45 128.91,54.95 v1(128.91,53.62) ; v1(168.96,68.45) 168.33,68.45 v1(165.28,65.4) ; v1(158.67,64.48) 158.67,56.54 158.1,55.97 158.1,55.93 158.09,55.92 v1(158.07,55.94) ; v1(122.53,66.56) 123.69,65.4 v1(123.69,64.35) ; v1(225.17,87.22) 224.15,88.24 v1(219.57,88.24) ; v1(58.45,104.92) 58.45,105.58 v1(57.01,107.02) ; v1(209.3,47.93) 209.3,47.44 v1(208.25,46.39) ; v1(147.56,45.27) 145.71,47.12 v1(145.12,47.12) ; v1(125.65,79.67) 129.58,79.67 v1(133.31,83.4) ; v1(111.65,46.98) 111.9,47.23 v1(111.9,48.36) ; v1(110.63,79.42) 113.84,76.21 120.21,76.21 v1(121.83,77.84) 122.63,77.84 123.76,78.97 v1(123.76,79.14) ; v1(120.25,48.77) 121.59,50.11 v1(121.59,51.83) ; v1(153.43,30.44) 154.43,31.44 157.67,31.44 159.66,29.45 159.66,23.9 v1(158.92,23.16)